# Altium PCB FPGA核心板.PcbDoc (part 3 of 3)
Units mil, origin at the board's own origin, x right, y up, seen from the top; angles counter-clockwise.
Board outline 3937.01 x 3937.01 mil, 4 copper layers (Top Layer, Layer 1, Layer 2, Bottom Layer), stack 23.756 mil thick; 164 components, 255 nets, 1024 pads, 373 vias.
Unrouted connection lines stored in the file: 1.
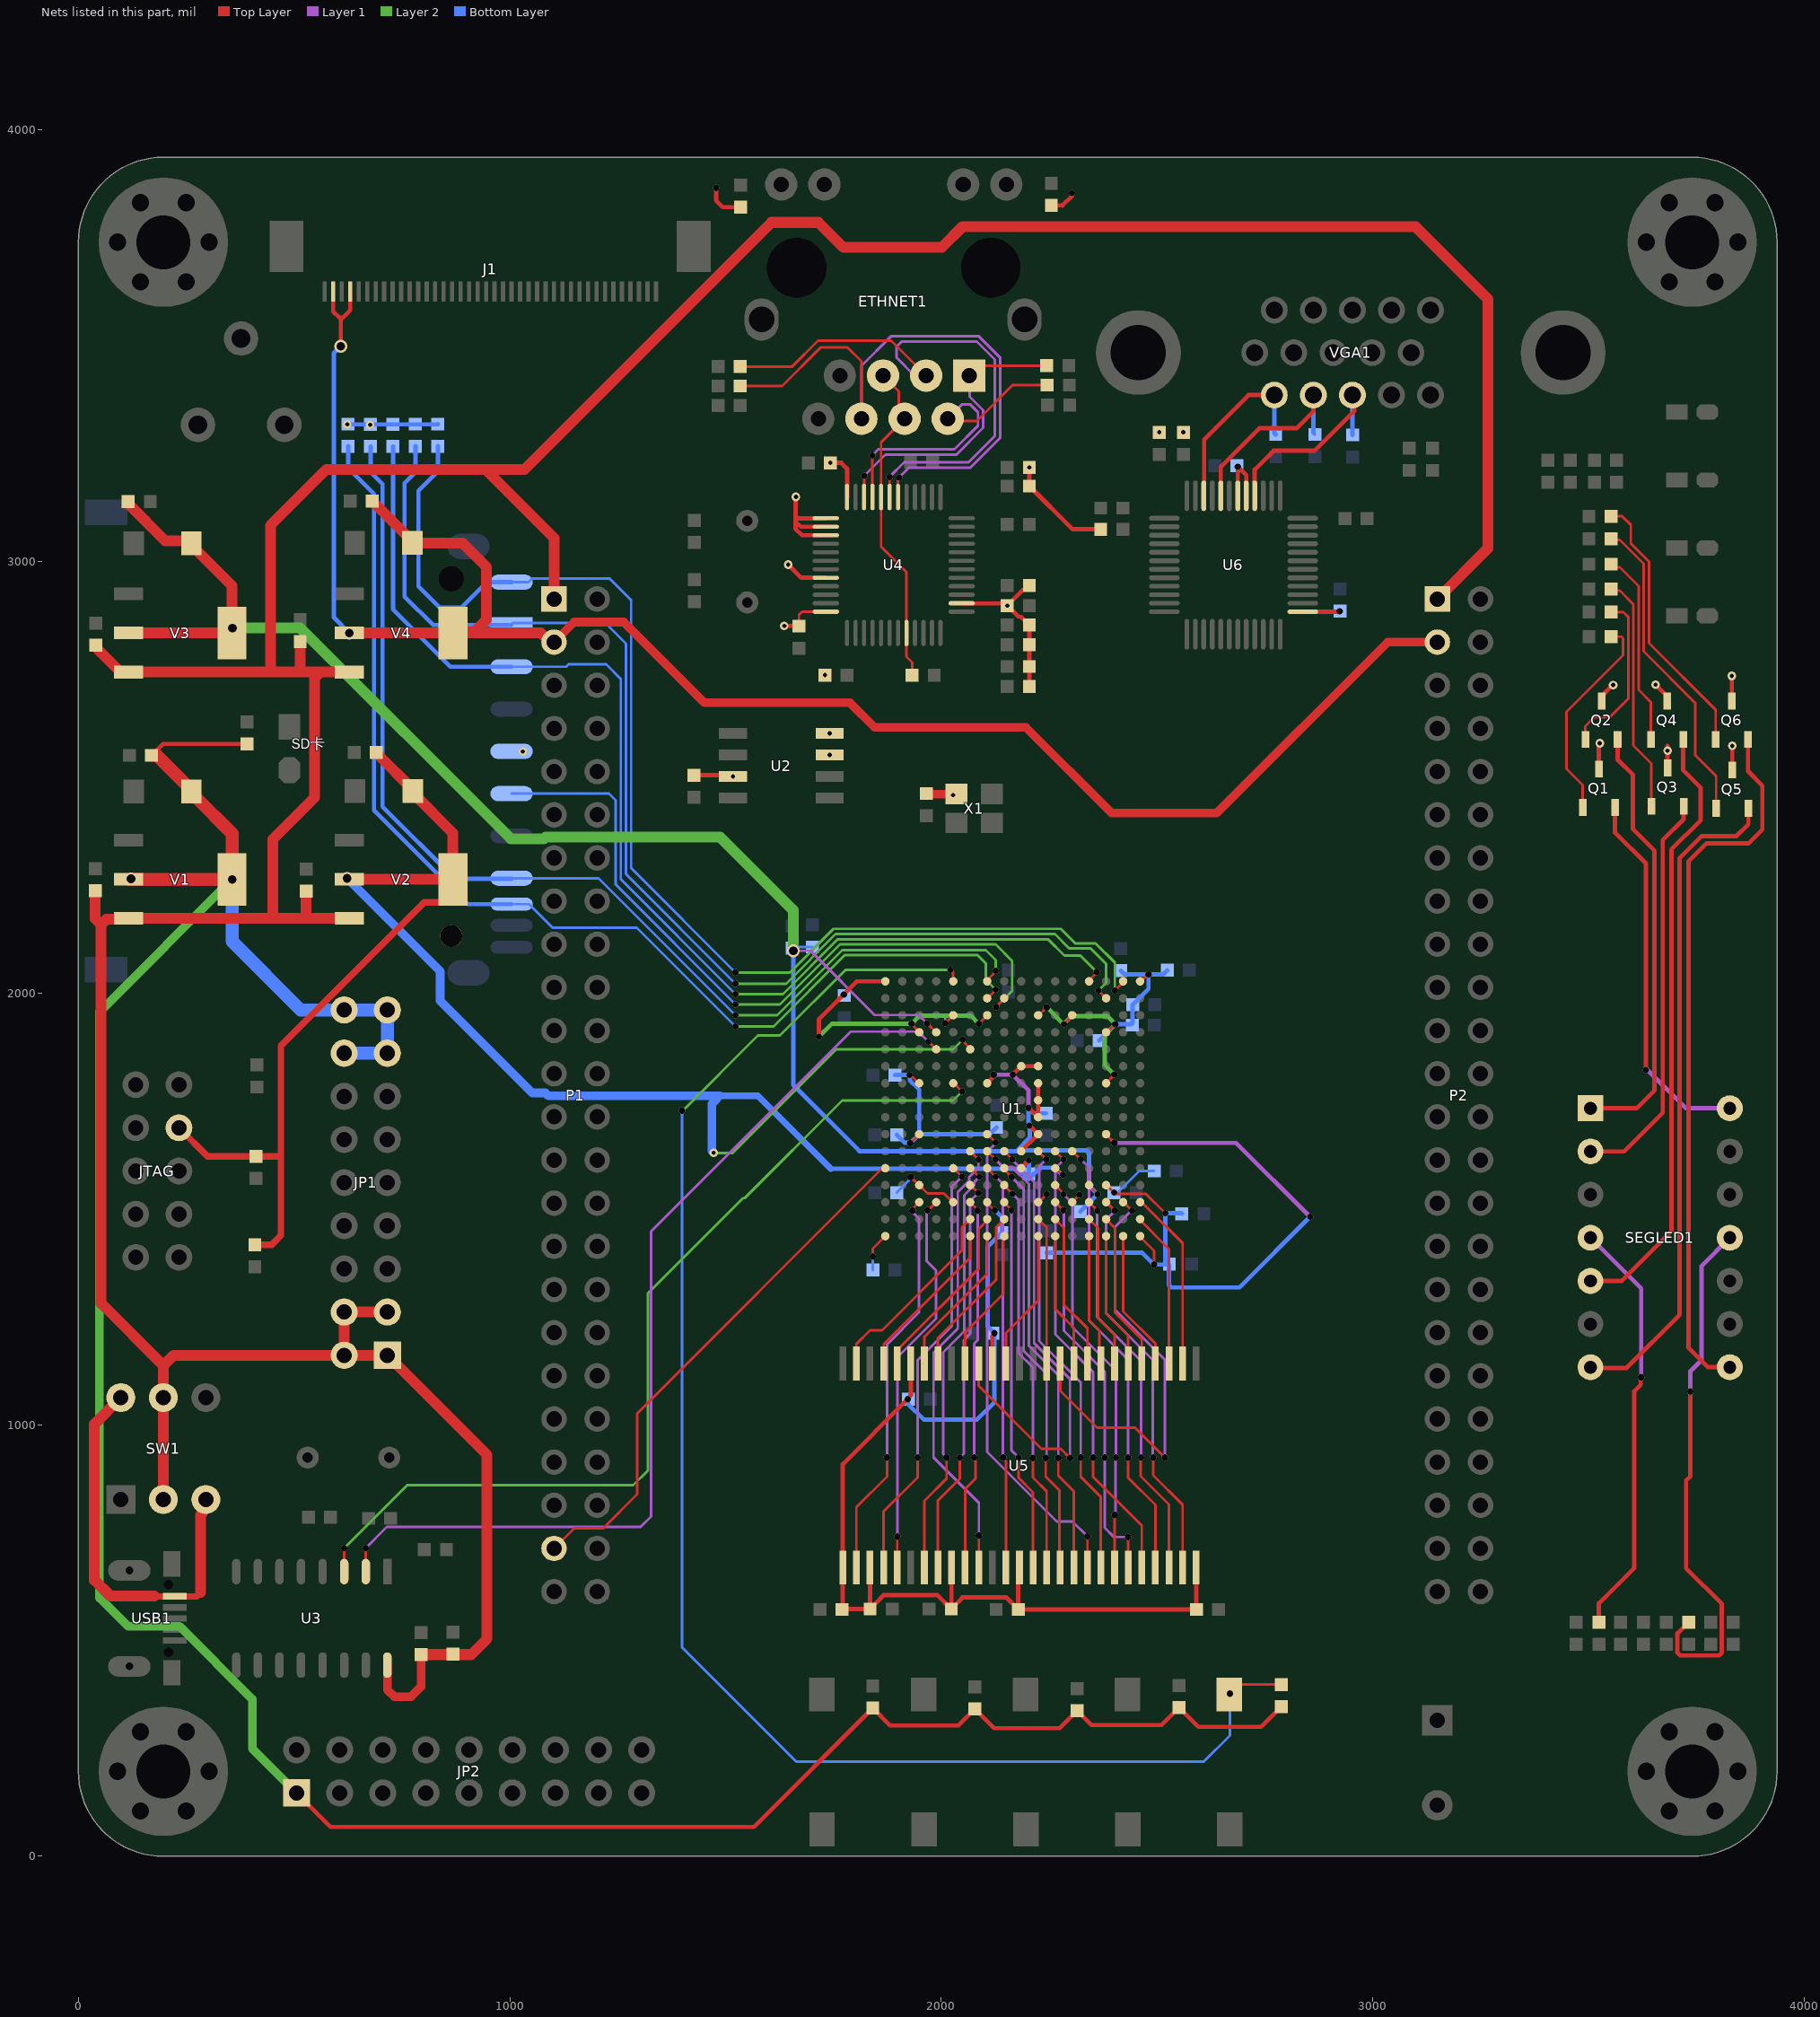
[diagram p5: the nets of this part, all layers, seen from the top]

## Via types
v1: diameter 15, hole 15, Top Layer to Bottom Layer, tented both sides, 180 vias
v2: diameter 15, hole 15, Top Layer to Bottom Layer, 151 vias
v3: diameter 20, hole 10, Top Layer to Bottom Layer, tented both sides, 34 vias
v4: diameter 30, hole 20, Top Layer to Bottom Layer, tented both sides, 8 vias

## Nets (pads, with @x,y where several pads share a name; then routed paths per layer and width w, separated by ;. In a path a pad name is that pad's centre, name@x,y a point inside that pad or via, vN(x,y) a via of type N, cw(c..) or ccw(c..) an arc to the next point about the centre after c; other vN are vias at no path point) (continued)
NetR57_1: R57.1 SEGLED1.11 | length 1227.6
  Top Layer w10: R57.1@3732,542.59 3706,516.59 3706,510.97 3706,471.86 3712.45,465.41 3802.56,465.41 3809,471.86 3809,584.62 3726.07,667.55 3726.07,870.51 3736,880.43 v1(3736,1077)
  Layer 1 w10: v1(3736,1077) 3736,1124.16 3762,1150.16 3762,1367.85 SEGLED1.11@3827.44,1433.28
NetR58_1: R58.1 SEGLED1.4 | length 980
  Top Layer w10: R58.1@3524,542.59 3524,586.38 3606,668.37 3606,1077.63 3621.04,1092.67 3621.04,1109.04 v1(3622,1110)
  Layer 1 w10: SEGLED1.4@3504.44,1433.28 3622,1315.72 v1(3622,1110)
REGOUT: C40.2 ETHNET1.4 ETHNET1.5 U4.8 U4.32 | length 767.3
  Top Layer w6: ETHNET1.5@1864.76,3431.11 1901.56,3394.31 1901.56,3344.31 ETHNET1.4@1914.76,3331.11 1860.24,3276.58 U4.32@1860.24,3149.59 1860.24,3034.76 1919.29,2975.71 U4.8@1919.29,2834.66 1919.29,2779.6 1932.41,2766.48 C40.2@1932.41,2737
RESET: R37.2 SET.2 U1.M1 | length 3661.9
  Top Layer w6: v2(2021,2054) 2027.56,2047.44 U1.M1@2027.56,2027.56 ; SET.2@2667.69,375 2690.69,398 R37.2@2788,398
  Layer 2 w6: v1(1399,1728) 1401,1728 1575,1902 1626,1902 1778,2054 v2(2021,2054)
  Bottom Layer w6: v1(1399,1728) 1399,484 1663.85,219.15 2608.15,219.15 2669,280 v1(2669,377)
SDIO_CMD: R51.2 SD卡.2 U1.D1 | length 2761.4
  Top Layer w6: U1.D1@2342.52,2027.56 2342.52,2029.71 2359.83,2047.02 v2(2359.83,2049.17)
  Layer 2 w6: v1@1528.47,1998 1632.97,1998 1759.97,2125 2247,2125 2285,2087 2322,2087 v2(2359.83,2049.17)
  Bottom Layer w6: SD卡.2@1003.94,2756.33 1130.41,2756.33 1136.08,2762 1223,2762 1257,2728 1257,2264.09 v1(1523.09,1998)
  Bottom Layer w10: R51.2@729,3267 729,2889.56 862.23,2756.33 SD卡.2@1003.94,2756.33
SDIO_D0: R59.2 SD卡.7 U1.K1 | length 2592
  Top Layer w6: U1.K1@2106.3,2027.56 2106.3,2030.3 v2@2126,2050
  Layer 2 w6: v1@1527.54,1949 1619.33,1949 1770.33,2100 2103,2100 2126,2077 v2(2126,2052)
  Bottom Layer w6: SD卡.7@1003.94,2265 1005.27,2266.33 1205.76,2266.33 v1(1523.09,1949)
  Bottom Layer w10: R59.2@677,3267 677,3208 705,3180 705,2432 872,2265 SD卡.7@1003.94,2265
SDIO_D1: R60.2 SD卡.8 U1.K2 | length 2671
  Top Layer w6: U1.K2@2106.3,1988.19 2107.19,1988.19 v2@2128,2009
  Layer 2 w6: v1(1523.09,1923) 1611,1923 1776,2088 2084,2088 2103,2069 2103,2031 v2(2126,2008)
  Bottom Layer w6: SD卡.8@1003.94,2206.33 1044.64,2206.33 1052.35,2198.62 ; 1052.38,2198.62 1099.09,2151.91 1294.17,2151.91 v1(1523.09,1923)
  Bottom Layer w10: R60.2@625,3267.41 625,3217 685,3157 685,2423.72 902.39,2206.33 SD卡.8@1003.94,2206.33
SDIO_D2: R45.2 SD卡.9 U1.B1 | length 2907.7
  Top Layer w6: v2(2402,2006) 2421.26,2025.26 U1.B1@2421.26,2027.56
  Layer 2 w6: 1531.86,2048 1649.03,2048 1750.03,2149 2276.97,2149 2310.49,2115.49 2357.51,2115.49 2402,2071 v2(2402,2006)
  Bottom Layer w6: SD卡.9@1003.94,2952.33 1043.5,2952.33 1052.17,2961 1231,2961 1281,2911 1281,2290.09 v1(1523.09,2048)
  Bottom Layer w10: R45.2@833,3267.41 833,3209 788,3164 788,2943 838,2893 887,2893 946.3,2952.3 SD卡.9@1003.94,2952.33
SDIO_D3: R48.2 SD卡.1 U1.C2 | length 2840.2
  Top Layer w6: v2(2364.17,2005.83) U1.C2@2381.89,1988.19
  Layer 2 w6: v1@1527.31,2022 1640,2022 1755,2137 2263,2137 2296.51,2103.49 2346.51,2103.49 2382,2068 2382,2023.67 v2(2364.17,2005.83)
  Bottom Layer w6: SD卡.1@1002.61,2853 SD卡.1@1003.94,2854.33 1007.61,2858 1221,2858 1269,2810 1269,2276.09 v1(1523.09,2022)
  Bottom Layer w10: R48.2@781,3267.41 781,3211 781.51,3210.49 781.51,3207.51 756,3182 756,2919 822,2853 SD卡.1@1002.61,2853
SDIO_SCK: SD卡.5 U1.J2 | length 1697.1
  Top Layer w6: v2@2125,1967 2145.67,1987.67 U1.J2@2145.67,1988.19
  Layer 2 w6: v1@1527.86,1974 1625.94,1974 1764.94,2113 2125.94,2113 2164,2074.94 2164,2005 v2(2127,1968)
  Bottom Layer w6: SD卡.5@1003.94,2462.33 1229.67,2462.33 1245,2447 1245,2252.09 v1(1523.09,1974)
SDRAM_A0: U1.F11 U5.23 | length 1063.7
  Top Layer w6: U1.F11@2263.78,1633.86 2264.14,1633.86 v2(2283,1615) ; v1(2352,924) 2352,879 2464.57,766.43 U5.23@2464.57,669.29
  Layer 1 w6: v2(2283,1615) 2283,1613 2264,1594 2264,1209.43 2352,1121.43 v1(2352,924)
SDRAM_A1: U1.E11 U5.24 | length 1045.1
  Top Layer w6: U1.E11@2303.15,1633.86 2304.14,1633.86 v2(2323,1615) ; v1(2433,924) 2433,877 2496.06,813.94 U5.24@2496.06,669.29
  Layer 1 w6: v2(2323,1615) 2342,1596 2342,1241.74 2433,1150.74 v1(2433,924)
SDRAM_A2: U1.D14 U5.25 | length 924.8
  Top Layer w6: U1.D14@2342.52,1515.75 2342.52,1515.48 v2(2362,1496) ; v1(2463,924) 2462,923 2462,881 2527.56,815.44 U5.25@2527.56,669.29
  Layer 1 w6: v2(2362,1496) 2361,1495 2361,1249.61 2463,1147.61 v1(2463,924)
SDRAM_A3: U1.C14 U5.26 | length 935.2
  Top Layer w6: U1.C14@2381.89,1515.75 2382.25,1515.75 v2(2402,1496) ; v1(2491,924) 2491,883 2559.06,814.94 U5.26@2559.06,669.29
  Layer 1 w6: v2(2402,1496) 2402,1495 2382,1475 2382,1258.31 2490,1150.31 v1@2490,925
SDRAM_A4: U1.A14 U5.29 | length 416.9
  Top Layer w6: U1.A14@2460.63,1515.75 2464.25,1515.75 2559.06,1420.95 U5.29@2559.06,1141.73
SDRAM_A5: U1.A15 U5.30 | length 362.4
  Top Layer w6: U1.A15@2460.63,1476.38 2460.63,1474.25 2527.56,1407.32 U5.30@2527.56,1141.73
SDRAM_A6: U1.B16 U5.31 | length 326.3
  Top Layer w6: U1.B16@2421.26,1437.01 2421.26,1262.74 2496.06,1187.94 U5.31@2496.06,1141.73
SDRAM_A7: U1.C15 U5.32 | length 368.9
  Top Layer w6: U1.C15@2381.89,1476.38 2402.3,1455.97 2402.3,1260.7 2464.57,1198.43 U5.32@2464.57,1141.73
SDRAM_A8: U1.C16 U5.33 | length 316.5
  Top Layer w6: U1.C16@2381.89,1437.01 2381.89,1257.58 2433.07,1206.4 U5.33@2433.07,1141.73
SDRAM_A9: U1.D15 U5.34 | length 359.1
  Top Layer w6: U1.D15@2342.52,1476.38 2363.05,1455.85 2363.05,1246.95 2401.58,1208.42 U5.34@2401.58,1141.73
SDRAM_A10: U1.F14 U5.22 | length 939.1
  Top Layer w6: U1.F14@2263.78,1515.75 2264.25,1515.75 v2(2283,1497) ; v1@2431,742 v1(2433.07,739.93) U5.22@2433.07,669.29
  Layer 1 w6: v2(2283,1497) 2284,1496 2284,1217.72 2379,1122.72 v1(2379,924) 2379,761 2400.07,739.93 v1(2433.07,739.93)
SDRAM_A11: U1.D16 U5.35 | length 306.7
  Top Layer w6: U1.D16@2342.52,1437.01 2342.52,1242.48 2366,1219 2366,1145.81 U5.35@2370.08,1141.73
SDRAM_A12: U1.F15 U5.36 | length 365.6
  Top Layer w6: U1.F15@2263.78,1476.38 2284.31,1455.85 2284.31,1277.69 2338.58,1223.42 U5.36@2338.58,1141.73
SDRAM_BA0: U1.G11 U5.20 | length 1038.2
  Top Layer w6: U1.G11@2224.41,1633.86 2224.41,1633.59 v2(2243,1615) ; v1(2323,924) 2323,879.36 2369,833.36 2369,670.37 U5.20@2370.08,669.29
  Layer 1 w6: v2(2243,1615) 2227,1599 2227,1194.11 2323,1098.11 v1(2323,924)
SDRAM_BA1: U1.F13 U5.21 | length 945.8
  Top Layer w6: U1.F13@2263.78,1555.12 2263.88,1555.12 2283,1536 v2(2283,1534) ; U5.21@2401.58,669.29 2401.58,790.58 v1(2402,791)
  Layer 1 w6: v2(2283,1534) 2304,1513 2304,1226 2405,1125 v1(2405,924) 2403.5,922.5 2403.5,792.5 v1(2402,791)
SDRAM_CAS: U1.J12 U5.17 | length 981
  Top Layer w6: U1.J12@2145.67,1594.49 2145.67,1591.33 v2(2163,1574) ; v1(2242,923) 2242,880 2274,848 2274,670.88 U5.17@2275.59,669.29
  Layer 1 w6: v2(2163,1574) 2191,1546 2191,1171 2244,1118 v1@2244,921.82
SDRAM_CKE: U1.F16 U5.37 | length 313.2
  Top Layer w6: U1.F16@2263.78,1437.01 2263.78,1268.22 2307.09,1224.91 U5.37@2307.09,1141.73
SDRAM_CLK: U1.B14 U5.38 | length 1036.4
  Top Layer w6: U5.38@2275.59,1141.73 2275.59,1078.41 2361,993 2449,993 v1(2518,924) ; U1.B14@2421.26,1515.75 2422.25,1515.75 v2(2442,1496)
  Layer 1 w6: v2(2442,1496) 2440,1496 2402,1458 2402,1266.59 2518,1150.59 v1(2518,924)
SDRAM_CS: U1.K10 U5.19 | length 1137.9
  Top Layer w6: U1.K10@2106.3,1673.23 2106.77,1673.23 v2(2126,1654) ; U5.19@2338.58,669.29 v1(2338.58,741.42)
  Layer 1 w6: v2(2126,1654) 2126,1652 2106.5,1632.5 2106.5,937.17 2267.67,776 2304,776 v1(2338.58,741.42)
SDRAM_D0: U1.P14 U5.2 | length 919.7
  Top Layer w6: U5.2@1803.15,669.29 1803.15,809.15 1874,880 v1(1874,924) ; v2(1933,1496) 1934.72,1497.72 1934.72,1501.65 U1.P14@1948.82,1515.75 U1.P14@1949.25,1515.75
  Layer 1 w6: v1(1874,924) 1874,1186.11 1948,1260.11 1948,1478 1933,1493 v2(1933,1496)
SDRAM_D1: U1.M12 U5.4 | length 1009.5
  Top Layer w6: U5.4@1866.14,669.29 1866.14,799.14 1945,878 v1(1945,924) ; U1.M12@2027.56,1594.49 2027.79,1594.49 2047.77,1574.5 v2(2048,1574.5)
  Layer 1 w6: v1(1945,924) 1945,1149.63 2024,1228.63 2024,1551 2047.5,1574.5 v2(2048,1574.5)
SDRAM_D2: U1.N14 U5.5 | length 903
  Top Layer w6: U5.5@1897.64,669.29 1897.82,669.47 1897.82,740.82 v1(1898,741) ; v2(1968,1497) 1969.44,1497 1987.25,1514.81 1988.19,1514.81 U1.N14@1988.19,1515.75
  Layer 1 w6: v1(1898,741) 1898,1156.37 1987.5,1245.87 1987.5,1357.5 1966.17,1378.83 1966.17,1495.17 v2(1968,1497)
SDRAM_D3: U1.L12 U5.7 | length 994.7
  Top Layer w6: U5.7@1960.63,669.29 1960.63,823.63 2012,875 v1(2012,924) ; U1.L12@2066.93,1594.49 2067.72,1594.49 2087.71,1574.5 v2(2088.5,1574.5)
  Layer 1 w6: v1(2012,924) 2004,932.01 2004,1167.62 2053,1216.62 2053,1532 2076.5,1555.5 2076.5,1562.5 v2(2088.5,1574.5)
SDRAM_D4: U1.L13 U5.8 | length 933.2
  Top Layer w6: U5.8@1992.13,669.29 1992.13,824.13 2043,875 v1(2043,924) ; U1.L13@2066.93,1555.12 2067.88,1555.12 v2(2086,1537)
  Layer 1 w6: v1(2043,924) 2052,933 2052,1195.82 2067,1210.82 2067,1518 v2(2086,1537)
SDRAM_D5: U1.L14 U5.10 | length 868
  Top Layer w6: U5.10@2055.12,669.29 2055.12,851.12 2079,875 2079,915.99 2077.72,917.26 2077.72,922.28 v1(2076,924) ; U1.L14@2066.93,1515.75 2066.93,1515.41 2084,1498.34 v2(2084,1496)
  Layer 1 w6: v1(2076,924) 2076,1188 2084,1196 v2(2084,1496)
SDRAM_D6: U1.L11 U5.11 | length 1063.3
  Top Layer w6: U1.L11@2066.93,1633.86 2067.13,1633.86 2086.39,1614.6 v2(2086.6,1614.6) ; v1@2086,746 2087,745 v1(2087,743) 2087,669.68 U5.11@2086.62,669.29
  Layer 1 w6: v2(2086.6,1614.6) 2086,1614 2086,1595.33 2064.5,1573.83 2064.5,1565.5 2038,1539 2038,1222.83 1982,1166.83 1982,924 2087,819 v1(2087,743)
SDRAM_D7: U1.K12 U5.13 | length 943.4
  Top Layer w6: U1.K12@2106.3,1594.49 2106.3,1594.34 2126,1574.64 v2(2126,1574.5) ; v1(2143,924) 2143,921.56 2149.61,914.96 U5.13@2149.61,669.29
  Layer 1 w6: v2(2126,1574.5) 2126.5,1574.5 2143,1558 v1(2143,924)
SDRAM_D8: U1.G16 U5.42 | length 326.3
  Top Layer w6: U5.42@2149.61,1141.73 2149.61,1212.61 2224.41,1287.41 U1.G16@2224.41,1437.01
SDRAM_D9: U1.J11 U5.44 | length 1106.1
  Top Layer w6: U5.44@2086.62,1141.73 2086.62,1090.25 2232.36,944.5 2276.5,944.5 v1(2298,923) ; U1.J11@2145.67,1633.86 2145.67,1633.59 2164.5,1614.76 v2(2164.5,1614.5)
  Layer 1 w6: v2(2164.5,1614.5) 2164.5,1613.5 2215,1563 2215,1189.14 2298,1106.14 v1(2298,923)
SDRAM_D10: U1.J16 U5.45 | length 332.8
  Top Layer w6: U5.45@2055.12,1141.73 2055.12,1214.12 2144,1303 2144,1435.34 U1.J16@2145.67,1437.01
SDRAM_D11: U1.J15 U5.47 | length 398.2
  Top Layer w6: U5.47@1992.13,1141.73 1992.13,1201.13 2126.83,1335.83 2126.83,1457.54 U1.J15@2145.67,1476.38
SDRAM_D12: U1.K16 U5.48 | length 355.6
  Top Layer w6: U5.48@1960.63,1141.73 1960.63,1203.63 2106.3,1349.3 U1.K16@2106.3,1437.01
SDRAM_D13: U1.K15 U5.50 | length 421.4
  Top Layer w6: U5.50@1897.64,1141.73 1897.64,1173.23 1902.51,1178.1 1903.1,1178.1 2087,1362 2087,1454 2106.3,1473.3 U1.K15@2106.3,1476.38
SDRAM_D14: U1.L16 U5.51 | length 378.4
  Top Layer w6: U5.51@1866.14,1141.73 1866.59,1142.18 1866.59,1186.59 2066.93,1386.93 U1.L16@2066.93,1437.01
SDRAM_D15: U1.L15 U5.53 | length 460.1
  Top Layer w6: U5.53@1803.15,1141.73 1803.15,1187.15 1835,1219 1862.67,1219 2048.09,1404.42 2048.09,1457.54 U1.L15@2066.93,1476.38
SDRAM_DQM0: U1.J14 U5.15 | length 874.5
  Top Layer w6: U1.J14@2145.67,1515.75 2145.67,1514.79 2162.5,1497.96 v2(2162.5,1497) ; v1(2179.17,924.17) 2179,924 2179,877 2212.6,843.4 U5.15@2212.6,669.29
  Layer 1 w6: v2(2162.5,1497) 2162.5,940.5 2178.83,924.17 v1(2179.17,924.17)
SDRAM_DQM1: U1.G15 U5.39 | length 342.8
  Top Layer w6: U1.G15@2224.41,1476.38 2244.1,1456.69 U5.39@2244.1,1141.73
SDRAM_RAS: U1.K11 U5.18 | length 1060.3
  Top Layer w6: U1.K11@2106.3,1633.86 2106.47,1633.86 2125.33,1615 v2(2125.5,1615) ; v1(2271,923) 2271,882 2307.09,845.91 U5.18@2307.09,669.29
  Layer 1 w6: v2(2125.5,1615) 2125.5,1614.5 2143,1597 2164.03,1597 2203,1558.03 2203,1182.75 2271,1114.75 v1(2271,923)
SDRAM_WE: U1.J13 U5.16 | length 925.1
  Top Layer w6: U1.J13@2145.67,1555.12 2145.67,1554.33 v2(2165,1535) ; v1(2212,923) 2212,878 2244,846 2244,669.39 U5.16@2244.1,669.29
  Layer 1 w6: v2(2165,1535) 2179,1521 2179,1166.03 2212,1133.03 v1@2212,924.49
SEL0: Q1.2 SEGLED1.14 | length 868.8
  Top Layer w10: Q1.2@3561.4,2430 3561.4,2372 3633,2300.4 v1(3633,1822)
  Layer 1 w10: v1(3633,1822) 3637,1822 3725.72,1733.28 SEGLED1.14@3827.44,1733.28
SEL0_T: Q1.1 R43.1 | length 491.8
  Top Layer w6: Q1.1@3486.6,2430 3486.6,2482.4 3449,2520 3449,2652 3580,2783 3580,2822.49 3576.49,2826 R43.1@3552,2826
SEL1: Q2.2 SEGLED1.1 | length 1014.3
  Top Layer w10: SEGLED1.1@3504.44,1733.28 3611.28,1733.28 3653,1775 3653,2330 3603,2380 3603,2506 3567.4,2541.6 Q2.2@3567.4,2588
SEL1_T: Q2.1 R46.1 | length 390.8
  Top Layer w6: Q2.1@3492.6,2588 3492.6,2618.6 3513,2639 3549,2639 3592,2682 3592,2872 3581,2883 R46.1@3552,2883
SEL2: Q3.2 SEGLED1.2 | length 934.8
  Top Layer w10: SEGLED1.2@3504.44,1633.28 3582.28,1633.28 3672,1723 3672,2355 3720.4,2403.4 Q3.2@3720.4,2433
SEL2_T: Q3.1 R49.1 | length 551.7
  Top Layer w6: R49.1@3552,2936 3555.49,2932.51 3572.49,2932.51 3604,2901 3604,2574 3645.6,2532.4 Q3.1@3645.6,2433
SEL3: Q4.2 SEGLED1.5 | length 1420.1
  Top Layer w10: SEGLED1.5@3504.44,1333.28 3577.28,1333.28 3692,1448 3692,2333 3760,2401 3760,2476 3719.4,2516.6 Q4.2@3719.4,2588
SEL3_T: Q4.1 R52.1 | length 452
  Top Layer w6: R52.1@3552,2994 3559.49,2986.51 3572.49,2986.51 3616,2943 3616,2703 3644.6,2674.4 Q4.1@3644.6,2588
SEL4: Q5.2 SEGLED1.7 | length 1544.9
  Top Layer w10: SEGLED1.7@3504.44,1133.28 3506.24,1131.49 3587.49,1131.49 3711,1255 3711,2313 3762,2364 3843,2364 3870.4,2391.4 Q5.2@3870.4,2428
SEL4_T: Q5.1 R54.1 | length 736.4
  Top Layer w6: R54.1@3552,3053 3554.49,3050.51 3572.49,3050.51 3628,2995 3628,2792 3747,2673 3747,2552 3795.6,2503.4 Q5.1@3795.6,2428
SEL5: Q6.2 SEGLED1.8 | length 1666.1
  Top Layer w10: SEGLED1.8@3827.44,1133.28 3776.72,1133.28 3732,1178 3732,2306 3773,2347 3871,2347 3903,2379 3903,2481 3869.4,2514.6 Q6.2@3869.4,2588
SEL5_T: Q6.1 R56.1 | length 632.7
  Top Layer w6: R56.1@3552,3105 3578,3105 3598,3085 3598,3041.97 3626.23,3013.74 3640,2999.97 3640,2811 3794.6,2656.4 Q6.1@3794.6,2588
T12: P1.45 U1.T12 | length 1242.2
  Top Layer w6: P1.45@1102.36,713.39 1149.46,760.48 1216.48,760.48 1295,839 1295,1026 1860.87,1591.87 1867.46,1591.87 U1.T12@1870.08,1594.49
TPRX_N: ETHNET1.6 R29.2 U4.30 | length 1481.6
  Top Layer w6: R29.2@1533.59,3407 1631,3407 1720,3496 1783,3496 1814.76,3464.24 ETHNET1.6@1814.76,3331.11 ETHNET1.6@1799,3331.11 ; v1@1899,3198.18 v1@1899.61,3197.57 ; U4.30@1899.61,3149.59 v1@1899.61,3197.57 ; v1(1902,3195) 1902,3195.18 v1@1899.61,3197.57
  Layer 1 w6: ETHNET1.6@1815,3333 1815,3454 1883,3522 2087,3522 2136,3473 2136,3286 2068,3218 1925,3218 v1(1902,3195)
TPRX_P: ETHNET1.3 R28.2 U4.31 | length 1358.1
  Top Layer w6: R28.2@1533.59,3452 1654.29,3452 1714.3,3512 1883.87,3512 ETHNET1.3@1964.76,3431.11 ; U4.31@1879.92,3149.59 1879.92,3195.92 v1(1880,3196)
  Layer 1 w6: v1(1880,3196) 1880,3196.33 1913.67,3230 2063.03,3230 2124,3290.97 2124,3468.03 2082.03,3510 1907.97,3510 1896,3498.03 1896,3473 1937.89,3431.11 ETHNET1.3@1964.76,3431.11
TPTX_N: ETHNET1.2 R27.2 U4.33 | length 760.7
  Top Layer w6: v1(1840,3246) 1840,3151.04 1841,3150.04 U4.33@1840.55,3149.59 ; ETHNET1.2@2014.76,3331.11 2019.87,3326 2082,3326 2165,3409 R27.2@2245.41,3409
  Layer 1 w6: v1(1840,3246) 1854,3260 2030.03,3260 2085,3314.97 2085,3346.03 2066.36,3364.67 2048.33,3364.67 ETHNET1.2@2014.76,3331.11
TPTX_P: ETHNET1.1 R24.2 U4.34 | length 695.4
  Top Layer w6: U4.34@1820.87,3149.59 1821,3149.72 v1(1821,3199) ; ETHNET1.1@2064.76,3431.11 2087.66,3454 R24.2@2244.41,3454
  Layer 1 w6: v1(1821,3199) 1870,3248 2035,3248 2097,3310 2097,3351 2066,3382 ETHNET1.1@2066,3432
UART_RX: U1.N5 U3.2 | length 2276.5
  Top Layer w6: U3.2@666,659.69 v1(666,714) ; v2(1970,1887.5) 1970.38,1887.5 1987.81,1870.08 U1.N5@1988.19,1870.08
  Layer 1 w6: v1(666,714) 715,763 1303,763 1327,787 1327,1448 1790,1911 1946.5,1911 v2(1970,1887.5)
UART_TX: U1.M7 U3.3 | length 2199
  Top Layer w6: U3.3@616,659.69 v1(616,714) ; U1.M7@2027.56,1791.34 2027.56,1792.56 2048,1772.12 v2(2048,1772)
  Layer 2 w6: v1(616,714) 762,860 1286,860 1320,894 1320,1304.5 1540.5,1525 1544,1525 1770,1751 2027,1751 v2(2048,1772) 2048,1770.9 v2@2049.9,1769
VCC1.2: C1.2 C2.2 C3.2 C4.2 C36.2 E3.1 U1.D13 U1.G6 U1.G7 U1.G8 U1.G9 U1.G10 U1.H6 U1.H11 U1.K7 U1.N4 V3.2 | length 4631.1
  Top Layer w6: v2(1967,1929.5) 1967.57,1929.5 1987.62,1909.45 U1.N4@1988.19,1909.45 ; U1.D13@2342.52,1555.12 2342.52,1553.48 v2(2362,1534)
  Top Layer w10: U1.K7@2106.3,1791.34 2106.3,1792.3 v2@2124,1810 ; v2(2165.35,1811.02) U1.H6@2185.04,1830.71 U1.G6@2224.41,1830.71 ; U1.H11@2185.04,1633.86 U1.G10@2224.41,1673.23 2224.09,1673.23 2204.32,1693 v2(2204,1693) ; v2(2202,1734) 2202.5,1734 2223.91,1712.6 U1.G9@2224.41,1712.6 U1.G8@2224.41,1751.97 U1.G7@2224.41,1791.34
  Top Layer w25: C36.2@115.41,3139 117.91,3136.5 117.91,3131.52 200.81,3048.63 255.3,3048.63 E3.1@261.93,3042 261.93,3038.06 356.22,2943.77 V3.2@356.22,2834.65 V3.2@116.22,2834.65
  Layer 1 w6: v4(1656.98,2098) 1697,2098 1845.5,1949.5 1947.5,1949.5 1967,1930 v2(1967,1929.5)
  Layer 1 w10: v2(2121.41,1811) 2165.34,1811.01 2202,1774.38 v2(2202,1734)
  Layer 2 w25: v4(357,2846) 514,2846 1002,2358 1079.06,2358 1082.47,2361.41 1487.59,2361.41 1656.98,2192.02 v4(1656.98,2098)
  Bottom Layer w6: v4(1656.98,2098) 1665.98,2107 C4.2@1701,2107
  Bottom Layer w10: v4(1656.98,2098) 1656.98,1787.02 1810,1634 2174,1634 2176,1636 ; 2202,1700.32 v2(2202,1734) 2214.41,1721.59 C2.2@2243,1721.59 ; v2@2205,1697.32 2205,1665 2176,1636 ; C3.2@2322,1493.59 2362,1533.59 v2(2362,1534) 2342,1554 2342,1630.14 2336.14,1636 2176,1636
VCC2.5: C23.2 C34.1 E2.1 JTAG.4 R1.1 R3.1 U1.F12 U1.H12 U1.L5 V2.2 | length 4910.8
  Top Layer w6: v2(2048.83,1892.17) 2048.83,1890.17 2066.93,1872.07 U1.L5@2066.93,1870.08 ; U1.F12@2263.78,1594.49 2263.78,1594.22 2279,1579 v2(2282,1579)
  Top Layer w10: U1.H12@2185.04,1594.49 2185.04,1595.04 v1(2203,1613)
  Top Layer w15: JTAG.4@233,1688 299.41,1621.59 R3.1@412,1621.59 468.59,1621.59 469,1622 ; R1.1@409,1417 448,1417 469,1438 469,1622 ; V2.2@868.03,2263.78 868.03,2236.22 842.07,2210.26 801.62,2210.26 469,1877.63 469,1622
  Top Layer w25: V2.2@628.03,2263.78 V2.2@868.03,2263.78 868.03,2370.96 774.93,2464.06 E2.1@774.93,2468 774.93,2471.94 693.09,2553.77 693.09,2555.5 C34.1@690.59,2558
  Layer 2 w6: v3(1472.31,1630) 1516.84,1630 1756.84,1870 2027,1870 2048.83,1891.83 v2(2048.83,1892.17)
  Bottom Layer w6: 1479.66,1754.66 1487,1762
  Bottom Layer w10: 1744,1593 2179.58,1593 C23.2@2203,1569.59 ; v1(2203,1613) C23.2@2203,1569.59 ; v2(2282,1579) 2279,1579 2262,1596 2229.41,1596 C23.2@2203,1569.59
  Bottom Layer w15: 1487,1762 1575,1762 1744,1593
  Bottom Layer w20: v4(623,2266) 838.46,2050.54 838.46,1982.54 1052,1769 1082.36,1769 1089.36,1762 1479.66,1762 1487,1762 ; v3(1472.31,1630) 1468,1634.31 1468,1743 1479.66,1754.66
VCC3.3: C6.2 C7.2 C8.2 C10.2 C11.2 C12.2 C13.2 C14.2 C15.2 C16.2 C19.2 C20.2 C21.2 C22.2 C24.2 C25.1 C30.1 C37.2 C38.2 C39.2 C41.2 C42.2 C43.2 C45.1 C49.2 C50.2 C52.2 C53.2 C54.2 C55.2 C56.2 E1.1 JP1.15 JP1.16 JP1.17 JP1.18 JP2.1 Q1.3 Q2.3 Q3.3 Q4.3 Q5.3 Q6.3 R5.1 R6.1 R7.1 R8.2 R9.2 R10.2 R11.2 R15.1 R16.1 R17.1 R19.1 R20.1 R21.1 R22.2 R23.2 R37.1 R38.1 R39.1 R40.1 R41.1 R45.1 R48.1 R51.1 R59.1 R60.1 SD卡.4 U1.A1 U1.A16 U1.C4 U1.C7 U1.C10 U1.C13 U1.E3 U1.E14 U1.G3 U1.G14 U1.K3 U1.K14 U1.M3 U1.M14 U1.P4 U1.P7 U1.P10 U1.P13 U1.T1 U1.T16 U2.3 U2.7 U2.8 U4.14 U4.36 U4.37 U4.38 U4.39 U4.44 U4.48 U5.1 U5.3 U5.9 U5.14 U5.27 U5.43 U5.49 U6.13 U6.29 U6.30 V1.2 X1.4 | length 15896.2
  Top Layer w6: C42.2@1670,2850.59 1670,2876.49 1677.37,2883.86 U4.48@1732.3,2883.86 ; v2(1841,1390) 1841,1407.93 U1.T16@1870.08,1437.01 ; v2(1926.33,1810.33) 1928.08,1810.33 1947.07,1791.34 U1.P7@1948.82,1791.34 ; v2(1928,1652.5) U1.P10@1948.82,1673.23 ; v2(1929,1574) 1947.88,1555.12 U1.P13@1948.82,1555.12 1967.66,1536.28 2005.72,1536.28 2026.25,1515.75 U1.M14@2027.56,1515.75 ; v2(1930.95,1928.83) 1930.95,1928.07 1948.82,1910.21 U1.P4@1948.82,1909.45 ; C25.1@1965,2462.59 C25.1@1966.13,2461.46 ; v2(2009,1930) 2027.56,1948.56 U1.M3@2027.56,1948.82 ; v1@2085,1927 v1(2087,1929) 2106.3,1948.3 U1.K3@2106.3,1948.82 ; U1.K14@2106.3,1515.75 2106.3,1513.7 2123,1497 v2(2124,1497) ; U1.G14@2224.41,1515.75 2225.75,1515.75 v2(2244,1534) ; U1.G3@2224.41,1948.82 2225.82,1948.82 v2(2244,1967) ; v2(2284,1928) 2303.15,1947.15 U1.E3@2303.15,1948.82 ; U1.E14@2303.15,1515.75 2303.15,1516.15 v2(2320,1533) ; U1.C13@2381.89,1555.12 2382.88,1555.12 2403,1535 2474,1535 v2(2519,1490) ; U1.C10@2381.89,1673.23 2381.89,1672.11 v2(2401,1653) ; U1.C7@2381.89,1791.34 2381.89,1791.86 2401,1810.97 v2(2401,1811.5) ; U1.C4@2381.89,1909.45 2384.45,1909.45 v2(2403,1928) ; U1.A16@2460.63,1437.01 2460.63,1435.37 2493,1403 v2(2493,1371) ; U1.A1@2460.63,2027.56 2462.34,2027.56 2478.29,2043.5 v2(2480,2043.5)
  Top Layer w10: C30.1@169.59,2551 196,2577.41 R8.2@391,2577.41 ; JP2.1@505.51,146.85 584.36,68 1565.6,68 R41.1@1841,343.41 1881.41,303 2039.6,303 R40.1@2078,341.41 2122.41,297 2274.6,297 R39.1@2315,337.41 2348.41,304 2510.6,304 R38.1@2551,344.41 2595.41,300 2741.18,300 R37.1@2788,346.82 ; C24.2@1427,2504.59 1427.42,2505 1514,2505 v3(1517,2502) ; v1(1478,3866) 1478,3837 1493.59,3821.41 R22.2@1535,3821.41 ; v3(1636,2851) 1669.59,2851 C42.2@1670,2850.59 ; v3(1645,2993) 1675.4,2962.6 U4.44@1732.3,2962.6 ; v3(1663,3150) 1662,3149 1662,3106 ; v1(1716,1899) 1716,1939 v1(1774,1997) 1804.56,2027.56 1866.96,2027.56 U1.T1@1868.52,2026 ; U4.39@1732.3,3061.02 1676.98,3061.02 1662,3076 1662,3092.5 ; U4.38@1732.3,3080.71 1673.79,3080.71 1662,3092.5 ; U4.37@1732.3,3100.39 1667.61,3100.39 1662,3106 ; v3(1742.59,3229) 1768,3229 1781.5,3215.5 U4.36@1781.5,3149.59 ; C52.2@1769.59,572 C52.2@1770.59,573 ; C49.2@1834.65,573.17 U5.3@1834.65,669.29 ; C49.2@1834.82,573 C52.2@1770.59,573 ; C49.2@1834.99,573.17 1858.79,596.97 1858.79,597.93 1865.86,605 1991,605 C55.2@2023,573 C55.2@2023.62,573.62 ; U5.49@1929.13,1141.73 1929.13,1067.49 1922,1060.35 v1(1922,1059) 1771.65,908.65 U5.1@1771.65,669.29 1771.65,574.06 C52.2@1770.59,573 ; U5.9@2023.62,669.29 C55.2@2023.62,573.62 ; U4.14@2047.23,2903.54 2047.77,2903 2147.82,2903 v3(2152.82,2898) ; U5.43@2118.11,1141.73 2118.11,1205.76 2123,1210.65 v1(2123,1212) ; U5.14@2181.1,669.29 2181.1,637.8 2178.18,634.88 C50.2@2178.18,572 ; R16.1@2204,2711 R17.1@2204,2757 R19.1@2204,2807 R20.1@2204,2853 2185,2872 2179.38,2872 2172.37,2879 2171.81,2879 v3(2152.82,2898) ; R21.1@2204,2945 2194,2935 2189.82,2935 v3(2152.82,2898) ; v3(2204,3218) R10.2@2204,3175 2303.99,3075 R11.2@2369.41,3075 ; R23.2@2255,3825.41 2280.59,3825.41 2280.86,3825.14 2303,3847.28 v1(2303,3854) ; U5.27@2590.55,669.29 2590.55,572.86 C56.2@2591.41,572 C50.2@2178.18,572 ; U6.30@2687.01,3152.57 v1(2687,3220) 2706.69,3200.31 U6.29@2706.69,3152.57 ; U6.13@2837.61,2883.86 2837.8,2884.05 2922.05,2884.05 v1(2923,2885) ; Q1.3@3524,2519.29 3524,2570 v3@3525,2571 ; Q2.3@3530,2677.29 3530,2688.12 3555.88,2714 v3(3556.94,2714) v3@3558,2714 ; v3@3652,2715 v3(3655.12,2715) 3682,2688.12 Q4.3@3682,2677.29 ; Q3.3@3683,2522.29 3683,2573 ; Q6.3@3832,2677.29 v3(3832,2735) ; Q5.3@3833,2517.29 v3(3833,2573) ; 1662,3092.5 1662,3106 ; C55.2@2023.62,573.62 2047.86,597.86 2047.86,600 2150.18,600 C50.2@2178.18,572
  Top Layer w20: C25.1@1966.13,2461.46 X1.4@2034.66,2461.46
  Top Layer w30: V1.2@116.22,2263.78 v4(356.22,2263.78) 356.22,2369.8 271.58,2454.44 270.55,2454.44 261.93,2463.06 E1.1@261.93,2467 261.93,2470.94 181.86,2551 C30.1@169.59,2551
  Layer 1 w10: v2(2401,1653) 2683,1653 2854,1482 v1(2855,1482)
  Layer 2 w6: v2(2009,1930) 2009.06,1930.06 2009.06,1948
  Layer 2 w10: v1(1716,1899) 1745.83,1928.83 v2(1930.95,1928.83) 1950.12,1948 2009.06,1948 2068,1948 v1(2087,1929) ; v2(2244,1967) 2245,1967 v2(2284,1928) 2284,1928.32 2302.68,1947 2384.5,1947 2403,1928.5 v2(2403,1928) 2378.5,1903.5 2378.5,1834 v2(2401,1811.5)
  Layer 2 w20: v4(356.22,2263.78) 48.96,1956.52 48.96,599.04 115,533 234,533 403,364 403,249.36 JP2.1@505.51,146.85
  Bottom Layer w6: v2(1841,1390) 1841,1358.68 C14.2@1841.34,1358.34 ; C6.2@1896.59,1538 1927.28,1568.69 1927.28,1572.28 v2(1929,1574) ; v1(2400.41,1538) 2408.7,1538 2458.71,1588 C13.2@2493.41,1588
  Bottom Layer w10: v3(623,3318) 832.41,3318 R45.1@833,3318.59 ; C11.2@1892.59,1810 1892.92,1810.33 v2(1926.33,1810.33) 1927.29,1809.38 1927.29,1797.91 1948.5,1776.7 1948.5,1673 ; C8.2@1896.59,1672 1915.13,1653.46 1927.04,1653.46 v2(1928,1652.5) 1948.5,1673 ; v1(1922,1059) 1922,1049 1959,1012 2083,1012 2123,1052 v1(2123,1212) 2107.5,1227.5 2107.5,1412.5 C20.2@2140,1445 2140,1481 v2(2124,1497) ; R6.1@2128,1688.82 2112.18,1673 1948.5,1673 ; R5.1@2244,1398.41 2465.59,1398.41 v2(2493,1371) C21.2@2527.42,1371 ; R7.1@2365.59,1890 2403,1927.4 v2(2403,1928) 2440.41,1928 2443.41,1931 C16.2@2443.41,1973 2480,2009.58 v2(2480,2043.5) ; C7.2@2416,2052.41 2424.92,2043.5 v2(2480,2043.5) ; C12.2@2523.41,2053 2513.92,2043.5 v2(2480,2043.5) ; C22.2@2557.41,1489 2556.41,1490 v2(2519,1490) 2519,1379.42 C21.2@2527.42,1371 ; v1(2855,1482) 2691,1318 2533.27,1318 2527.42,1323.86 C21.2@2527.42,1371
  Bottom Layer w30: v4(356.22,2263.78) 356.22,2119.78 515,1961 JP1.18@616,1961 JP1.17@716,1961 JP1.15@716,1861 JP1.16@616,1861
  other v3: 2027,2459 1741.41,2552 1030,2560 3683,2562 3526,2579 1741.41,2602 1730.41,2737 2505,3299.59 2561,3299.59 676,3317
  other v4: 122,2265
VCC3V3: C58.1 E4.1 J1.2 J1.4 P1.3 P2.3 V4.2 | length 4334.7
  Top Layer w10: J1.2@590.55,3626.05 590.55,3579.45 604.86,3565.14 608,3565.14 ; v4@608,3499.92 608,3565.14 ; J1.4@629.92,3626.05 629.92,3581.92 613.14,3565.14 608,3565.14
  Top Layer w20: P1.3@1102.36,2813.39 1148.98,2860 1264,2860 1451,2673 1788,2673 1845,2616 2196,2616 2395,2417 2638,2417 3034.39,2813.39 P2.3@3149.61,2813.39
  Top Layer w25: v4(628.03,2834.65) V4.2@868.03,2834.65 ; C58.1@681,3140 762.88,3058.12 762.88,3054.12 E4.1@774,3043 890,3043 946,2987 946,2865 919,2838 871.39,2838 V4.2@868.03,2834.65 ; P1.3@1102.36,2813.39 1093.15,2813.39 1071.89,2834.65 V4.2@868.03,2834.65
  Bottom Layer w10: v4(608,3499) 592,3483 592,2870.68 v4(628.03,2834.65)
VCC5: C26.2 C27.2 C29.1 C33.1 C35.2 C57.1 JP1.1 JP1.2 JP1.3 JP1.4 P1.1 P2.1 SW1.2 SW1.5 U3.16 V1.3 V2.3 V3.3 V4.3 | length 9980.9
  Top Layer w20: U3.16@716,443 716.16,442.84 716.16,385.84 732,370 771,370 794,393 C26.2@794,467.41
  Top Layer w25: C29.1@39,2237.41 39,2172.08 52.5,2158.58 ; C35.2@40,2806.41 42.5,2803.91 42.5,2799.12 97.52,2744.09 V3.3@116.22,2744.09 445,2744.09 ; SW1.2@196.85,826.77 SW1.5@196.85,1062.99 196.85,1137.15 ; C57.1@514,2814.41 514,2752.1 506,2744.09 ; C33.1@528,2236.41 528,2177.23 524,2173.23 ; V2.3@628.03,2173.23 524,2173.23 ; V4.3@628.03,2744.09 561.64,2744.09 ; JP1.3@716,1261 JP1.4@616,1261 JP1.2@616,1161 ; C26.2@794,467.41 868,467.41 910.41,467.41 947,504 947,930 JP1.1@716,1161 JP1.2@616,1161 ; P1.1@1102.36,2913.39 1102.36,3054.64 943,3214 ; P2.1@3149.61,2913.39 3267,3030.78 3267,3608 3099,3776 2049,3776 2001,3728 1773,3728 1715,3786 1606.28,3786 1034.28,3214 943,3214 ; 52.5,2158.58 52.5,1281.5 196.85,1137.15 ; 52.5,2158.58 64.88,2170.96 113.96,2170.96 V1.3@116.22,2173.23 451,2173.23 ; 196.85,1137.15 220.7,1161 JP1.2@616,1161 ; 445,2744.09 506,2744.09 ; 445,2744.09 445,3084 575,3214 943,3214 ; 451,2173.23 524,2173.23 ; 451,2173.23 451,2357 547,2453 547,2729.45 561.64,2744.09 ; 506,2744.09 561.64,2744.09
VGA_BLUE: R32.2 U6.28 VGA1.3 | length 471.8
  Top Layer w10: U6.28@2726.38,3159.27 2726.38,3213.38 2770,3257 2865,3257 2957,3349 2957,3381.58 VGA1.3@2952.76,3385.83
  Bottom Layer w10: VGA1.3@2952.76,3385.83 2952.76,3293.83 R32.2@2953,3293.59
VGA_GREEN: R31.2 U6.32 VGA1.2 | length 465.7
  Top Layer w10: U6.32@2647.64,3152.57 2647.64,3219.64 2737,3309 2823.71,3309 2862.2,3347.49 VGA1.2@2862.2,3385.83
  Bottom Layer w6: R31.2@2862.2,3298.38 R31.2@2866,3294.59
  Bottom Layer w10: R31.2@2862.2,3298.38 VGA1.2@2862.2,3385.83
VGA_RED: R30.2 U6.34 VGA1.1 | length 414.4
  Top Layer w10: U6.34@2608.27,3166.8 2609,3167.53 2609,3283 2711.83,3385.83 VGA1.1@2771.65,3385.83
  Bottom Layer w10: VGA1.1@2771.65,3385.83 2771.65,3297.93 R30.2@2775,3294.59
VUSB: SW1.3 SW1.6 USB1.1 | length 935.5
  Top Layer w15: 176,603 176.82,602.18 USB1.1@223.11,602.18 274.18,602.18 283,611
  Top Layer w25: SW1.6@98.42,1062.99 37,1001.57 37,640 74,603 176,603 ; 283,611 283,791.16 287.25,795.42 287.25,824.95 SW1.3@283,829.21
pads on no net: *.1 ETHNET1.0 ETHNET1.7 J1.35 JTAG.6 JTAG.7 JTAG.8 RP1.3 SD卡.0 SD卡.10 SD卡.11 SD卡.12 SW1.1 SW1.4 U3.9 U3.10 U3.11 U3.12 U3.13 U3.14 U3.15 U4.24 U4.27 U5.40 USB1.0 USB1.4 VGA1.4 VGA1.9 VGA1.11 VGA1.12 VGA1.15 VGA1.16 VGA1.17 X1.1
copper on no net: | length 23.4
  Layer 2 w6: 2973,212 2969.49,208.49 2969.49,203.51 2979,194

## Polygon pours and split planes (outlines as drawn)
VCC3.3 on Layer 2 "NONET_L01_P-001" (solid, remove dead copper, pour order 0): -65,4059 -78,4046 -78,-200 4175,-200 4238,-137 4238,3991
GND on Bottom Layer "NONET_L01_P-001" (solid, remove dead copper, pour order 1): -242,4305 -259,4288 -259,-448 4519,-448 4590,-377 4590,4260
GND on Layer 1 "NONET_L01_P-001" (solid, remove dead copper, pour order 2): -185,4234 -185,-604 -25,-444 4603,-444 4603,3975 4406,4172
GND on Top Layer "NONET_L01_P-001" (solid, remove dead copper, pour order 3): -107,4288 -143,4252 -143,-454 4412,-454 4421,-463 4457,-427 4457,4244

## Keep-outs
Keep-Out Layer:
  the board outline again, w10

## Silkscreen, mask and mechanical layers (free items; w line width, h text height)
Top Overlay:
  lines w6: 471,1311 566,1311 ; 471,1811 566,1811 863,1811 ; 565,1311 863,1311 ; 567,1110 471,1110 471,2010 472,2011 567,2011 ; 767,1111 863,1111 863,2012 768,2012 ; 910.39,661.39 1102.36,661.39 ; 910.39,761.39 1102.36,761.39 ; 910.39,861.39 1102.36,861.39 ; 910.39,961.39 1102.36,961.39 ; 910.39,1061.39 1102.36,1061.39 ; 910.39,1161.39 1102.36,1161.39 ; 910.39,1261.39 1102.36,1261.39 ; 910.39,1361.39 1102.36,1361.39 ; 910.39,1461.39 1102.36,1461.39 ; 910.39,1561.39 1102.36,1561.39 ; 910.39,1661.39 1102.36,1661.39 ; 910.39,1761.39 1102.36,1761.39 ; 910.39,1861.39 1102.36,1861.39 ; 910.39,1961.39 1102.36,1961.39 ; 910.39,2061.39 1102.36,2061.39 ; 910.39,2161.39 1102.36,2161.39 ; 910.39,2261.39 1102.36,2261.39 ; 910.39,2361.39 1102.36,2361.39 ; 910.39,2461.39 1102.36,2461.39 ; 910.39,2561.39 1102.36,2561.39 ; 910.39,2661.39 1102.36,2661.39 ; 910.39,2761.39 1102.36,2761.39 ; 910.39,2861.39 1102.36,2861.39 ; 1202.36,662.39 1394.34,662.39 ; 1202.36,762.39 1394.34,762.39 ; 1202.36,862.39 1394.34,862.39 ; 1202.36,962.39 1394.34,962.39 ; 1202.36,1062.39 1394.34,1062.39 ; 1202.36,1162.39 1394.34,1162.39 ; 1202.36,1262.39 1394.34,1262.39 ; 1202.36,1362.39 1394.34,1362.39 ; 1202.36,1462.39 1394.34,1462.39 ; 1202.36,1562.39 1394.34,1562.39 ; 1202.36,1662.39 1394.34,1662.39 ; 1202.36,1762.39 1394.34,1762.39 ; 1202.36,1862.39 1394.34,1862.39 ; 1202.36,1962.39 1394.34,1962.39 ; 1202.36,2062.39 1394.34,2062.39 ; 1202.36,2162.39 1394.34,2162.39 ; 1202.36,2262.39 1394.34,2262.39 ; 1202.36,2362.39 1394.34,2362.39 ; 1202.36,2462.39 1394.34,2462.39 ; 1202.36,2562.39 1394.34,2562.39 ; 1202.36,2662.39 1394.34,2662.39 ; 1202.36,2762.39 1394.34,2762.39 ; 1202.36,2862.39 1394.34,2862.39 ; 2956.24,554 2956.24,2968 3413.24,2968 3441.24,2968 ; 2957.63,661.39 3149.61,661.39 ; 2957.63,761.39 3149.61,761.39 ; 2957.63,861.39 3149.61,861.39 ; 2957.63,961.39 3149.61,961.39 ; 2957.63,1061.39 3149.61,1061.39 ; 2957.63,1161.39 3149.61,1161.39 ; 2957.63,1261.39 3149.61,1261.39 ; 2957.63,1361.39 3149.61,1361.39 ; 2957.63,1461.39 3149.61,1461.39 ; 2957.63,1561.39 3149.61,1561.39 ; 2957.63,1661.39 3149.61,1661.39 ; 2957.63,1761.39 3149.61,1761.39 ; 2957.63,1861.39 3149.61,1861.39 ; 2957.63,1961.39 3149.61,1961.39 ; 2957.63,2061.39 3149.61,2061.39 ; 2957.63,2161.39 3149.61,2161.39 ; 2957.63,2261.39 3149.61,2261.39 ; 2957.63,2361.39 3149.61,2361.39 ; 2957.63,2461.39 3149.61,2461.39 ; 2957.63,2561.39 3149.61,2561.39 ; 2957.63,2661.39 3149.61,2661.39 ; 2957.63,2761.39 3149.61,2761.39 ; 2957.63,2861.39 3149.61,2861.39 ; 2958.24,554 3441.24,554 ; 3249.61,662.39 3441.58,662.39 ; 3249.61,762.39 3441.58,762.39 ; 3249.61,862.39 3441.58,862.39 ; 3249.61,962.39 3441.58,962.39 ; 3249.61,1062.39 3441.58,1062.39 ; 3249.61,1162.39 3441.58,1162.39 ; 3249.61,1262.39 3441.58,1262.39 ; 3249.61,1362.39 3441.58,1362.39 ; 3249.61,1462.39 3441.58,1462.39 ; 3249.61,1562.39 3441.58,1562.39 ; 3249.61,1662.39 3441.58,1662.39 ; 3249.61,1762.39 3441.58,1762.39 ; 3249.61,1862.39 3441.58,1862.39 ; 3249.61,1962.39 3441.58,1962.39 ; 3249.61,2062.39 3441.58,2062.39 ; 3249.61,2162.39 3441.58,2162.39 ; 3249.61,2262.39 3441.58,2262.39 ; 3249.61,2362.39 3441.58,2362.39 ; 3249.61,2462.39 3441.58,2462.39 ; 3249.61,2562.39 3441.58,2562.39 ; 3249.61,2662.39 3441.58,2662.39 ; 3249.61,2762.39 3441.58,2762.39 ; 3249.61,2862.39 3441.58,2862.39 ; 3441.58,554.34 3441.58,2967.66 ; 909,556 909,586 909,2968 1366,2968 1394,2968 1394.34,2967.66 1394.34,554.34 1394,554 911,554 909,556
  text "RGBLCD" at 784.63,3454.9 h80
  text "电子神技" at 675.75,3262.38 h150
  text "GND" at 1272.92,2892.63 h40
  text "GND" at 3320.16,2892.63 h40
  text "5V" at 941.68,2888.01 h40
  text "5V" at 2988.92,2888.01 h40
  text "GND" at 1272.92,2792.63 h40
  text "GND" at 3320.16,2792.63 h40
  text "3V3" at 921.68,2788.01 h40
  text "3V3" at 2968.93,2788.01 h40
  text "G2" at 1292.91,2692.63 h40
  text "F1" at 3346.82,2692.63 h40
  text "G1" at 948.34,2688.01 h40
  text "F2" at 2988.92,2688.01 h40
  text "J1" at 1299.57,2592.63 h40
  text "F3" at 3340.15,2592.63 h40
  text "G5" at 941.68,2588.01 h40
  text "F5" at 2988.92,2588.01 h40
  text "ALTERA" at 2347.35,2537.99 h100
  text "K5" at 1292.91,2492.63 h40
  text "F6" at 3340.15,2492.63 h40
  text "J6" at 941.68,2488.01 h40
  text "E5" at 2988.92,2488.01 h40
  text "Cyclone IV" at 2346.69,2432.88 h100
  text "K8" at 1292.91,2392.63 h40
  text "E6" at 3340.15,2392.63 h40
  text "K5" at 941.68,2388.01 h40
  text "D3" at 2988.92,2388.01 h40
  text "L2" at 1292.91,2292.63 h40
  text "D4" at 3340.15,2292.63 h40
  text "数码管" at 3542.27,2291.28 h100
  text "L1" at 948.34,2288.01 h40
  text "C3" at 2988.92,2288.01 h40
  text "EP4CE10F17C8L" at 1813.11,2198.34 h100
  text "L4" at 1292.91,2192.63 h40
  text "A2" at 3340.15,2192.63 h40
  text "L13" at 925.02,2188.01 h40
  text "B3" at 2988.92,2188.01 h40
  text "M6" at 1292.91,2092.63 h40
  text "A3" at 3340.15,2092.63 h40
  text "L6" at 941.68,2088.01 h40
  text "B4" at 2988.92,2088.01 h40
  text "N2" at 1292.91,1992.63 h40
  text "A4" at 3340.15,1992.63 h40
  text "N1" at 948.34,1988.01 h40
  text "B5" at 2988.92,1988.01 h40
  text "3V3" at 499.01,1963.32 h40 r270
  text "P1" at 1299.57,1892.63 h40
  text "A5" at 3340.15,1892.63 h40
  text "N3" at 941.68,1888.01 h40
  text "B6" at 2988.92,1888.01 h40
  text "3V3" at 832.99,1857.68 h40 r90
  text "P3" at 1292.91,1792.63 h40
  text "A6" at 3340.15,1792.63 h40
  text "P2" at 941.68,1788.01 h40
  text "B7" at 2988.92,1788.01 h40
  text "GND" at 499.01,1763.32 h40 r270
  text "T2" at 1292.91,1692.63 h40
  text "A7" at 3340.15,1692.63 h40
  text "R1" at 948.34,1688.01 h40
  text "B8" at 2988.92,1688.01 h40
  text "GND" at 830.99,1658.68 h40 r90
  text "R3" at 1292.91,1592.63 h40
  text "A8" at 3340.15,1592.63 h40
  text "T3" at 941.68,1588.01 h40
  text "B9" at 2988.92,1588.01 h40
  text "R4" at 1292.91,1492.63 h40
  text "A9" at 3340.15,1492.63 h40
  text "T4" at 941.68,1488.01 h40
  text "B10" at 2972.26,1488.01 h40
  text "GND" at 497.01,1463.32 h40 r270
  text "R5" at 1292.91,1392.63 h40
  text "A10" at 3323.49,1392.63 h40
  text "G4" at 941.68,1388.01 h40
  text "B11" at 2978.92,1388.01 h40
  text "GND" at 828.99,1356.68 h40 r90
  text "R6" at 1292.91,1292.63 h40
  text "A11" at 3330.16,1292.63 h40
  text "T6" at 941.68,1288.01 h40
  text "B12" at 2972.26,1288.01 h40
  text "5V" at 498.01,1244.32 h40 r270
  text "R7" at 1292.91,1192.63 h40
  text "A12" at 3323.49,1192.63 h40
  text "T7" at 941.68,1188.01 h40
  text "B13" at 2972.26,1188.01 h40
  text "5V" at 829.99,1177.68 h40 r90
  text "R8" at 1292.91,1092.63 h40
  text "A13" at 3323.49,1092.63 h40
  text "T8" at 941.68,1088.01 h40
  text "C6" at 2988.92,1088.01 h40
  text "R9" at 1292.91,992.63 h40
  text "C8" at 3340.15,992.63 h40
  text "T9" at 941.68,988.01 h40
  text "D5" at 2988.92,988.01 h40
  text "R10" at 1276.25,892.63 h40
  text "D6" at 3340.15,892.63 h40
  text "T10" at 925.02,888.01 h40
  text "D8" at 2988.92,888.01 h40
  text "R11" at 1282.91,792.63 h40
  text "E7" at 3340.15,792.63 h40
  text "T11" at 931.68,788.01 h40
  text "E15" at 2972.26,788.01 h40
  text "M15" at 1276.25,692.63 h40
  text "E9" at 3340.15,692.63 h40
  text "T12" at 925.02,688.01 h40
  text "F7" at 2988.92,688.01 h40
  text "E16" at 1276.25,592.63 h40
  text "F8" at 3340.15,592.63 h40
  text "F10" at 2976.26,589.01 h40
  text "E15" at 925.02,588.01 h40
  text "摄像头接口" at 911.66,346.28 h100
  text "蜂鸣器" at 3395.02,302.19 h80 r270

## Text inside footprints (layer, text, board x,y; h text height)
J1: Top Overlay "1" at 565.28,3555.47 h35; Top Overlay "40" at 1310.87,3556.05 h35
JP2: Top Overlay "2" at 405.51,226.85 h40; Top Overlay "1" at 415.51,126.85 h40; Top Overlay "18" at 1375.51,236.85 h40; Top Overlay "17" at 1375.51,126.85 h40